# Altium PCB FMC_ADC_128CH_10B.PcbDoc (part 13 of 14) (continued)
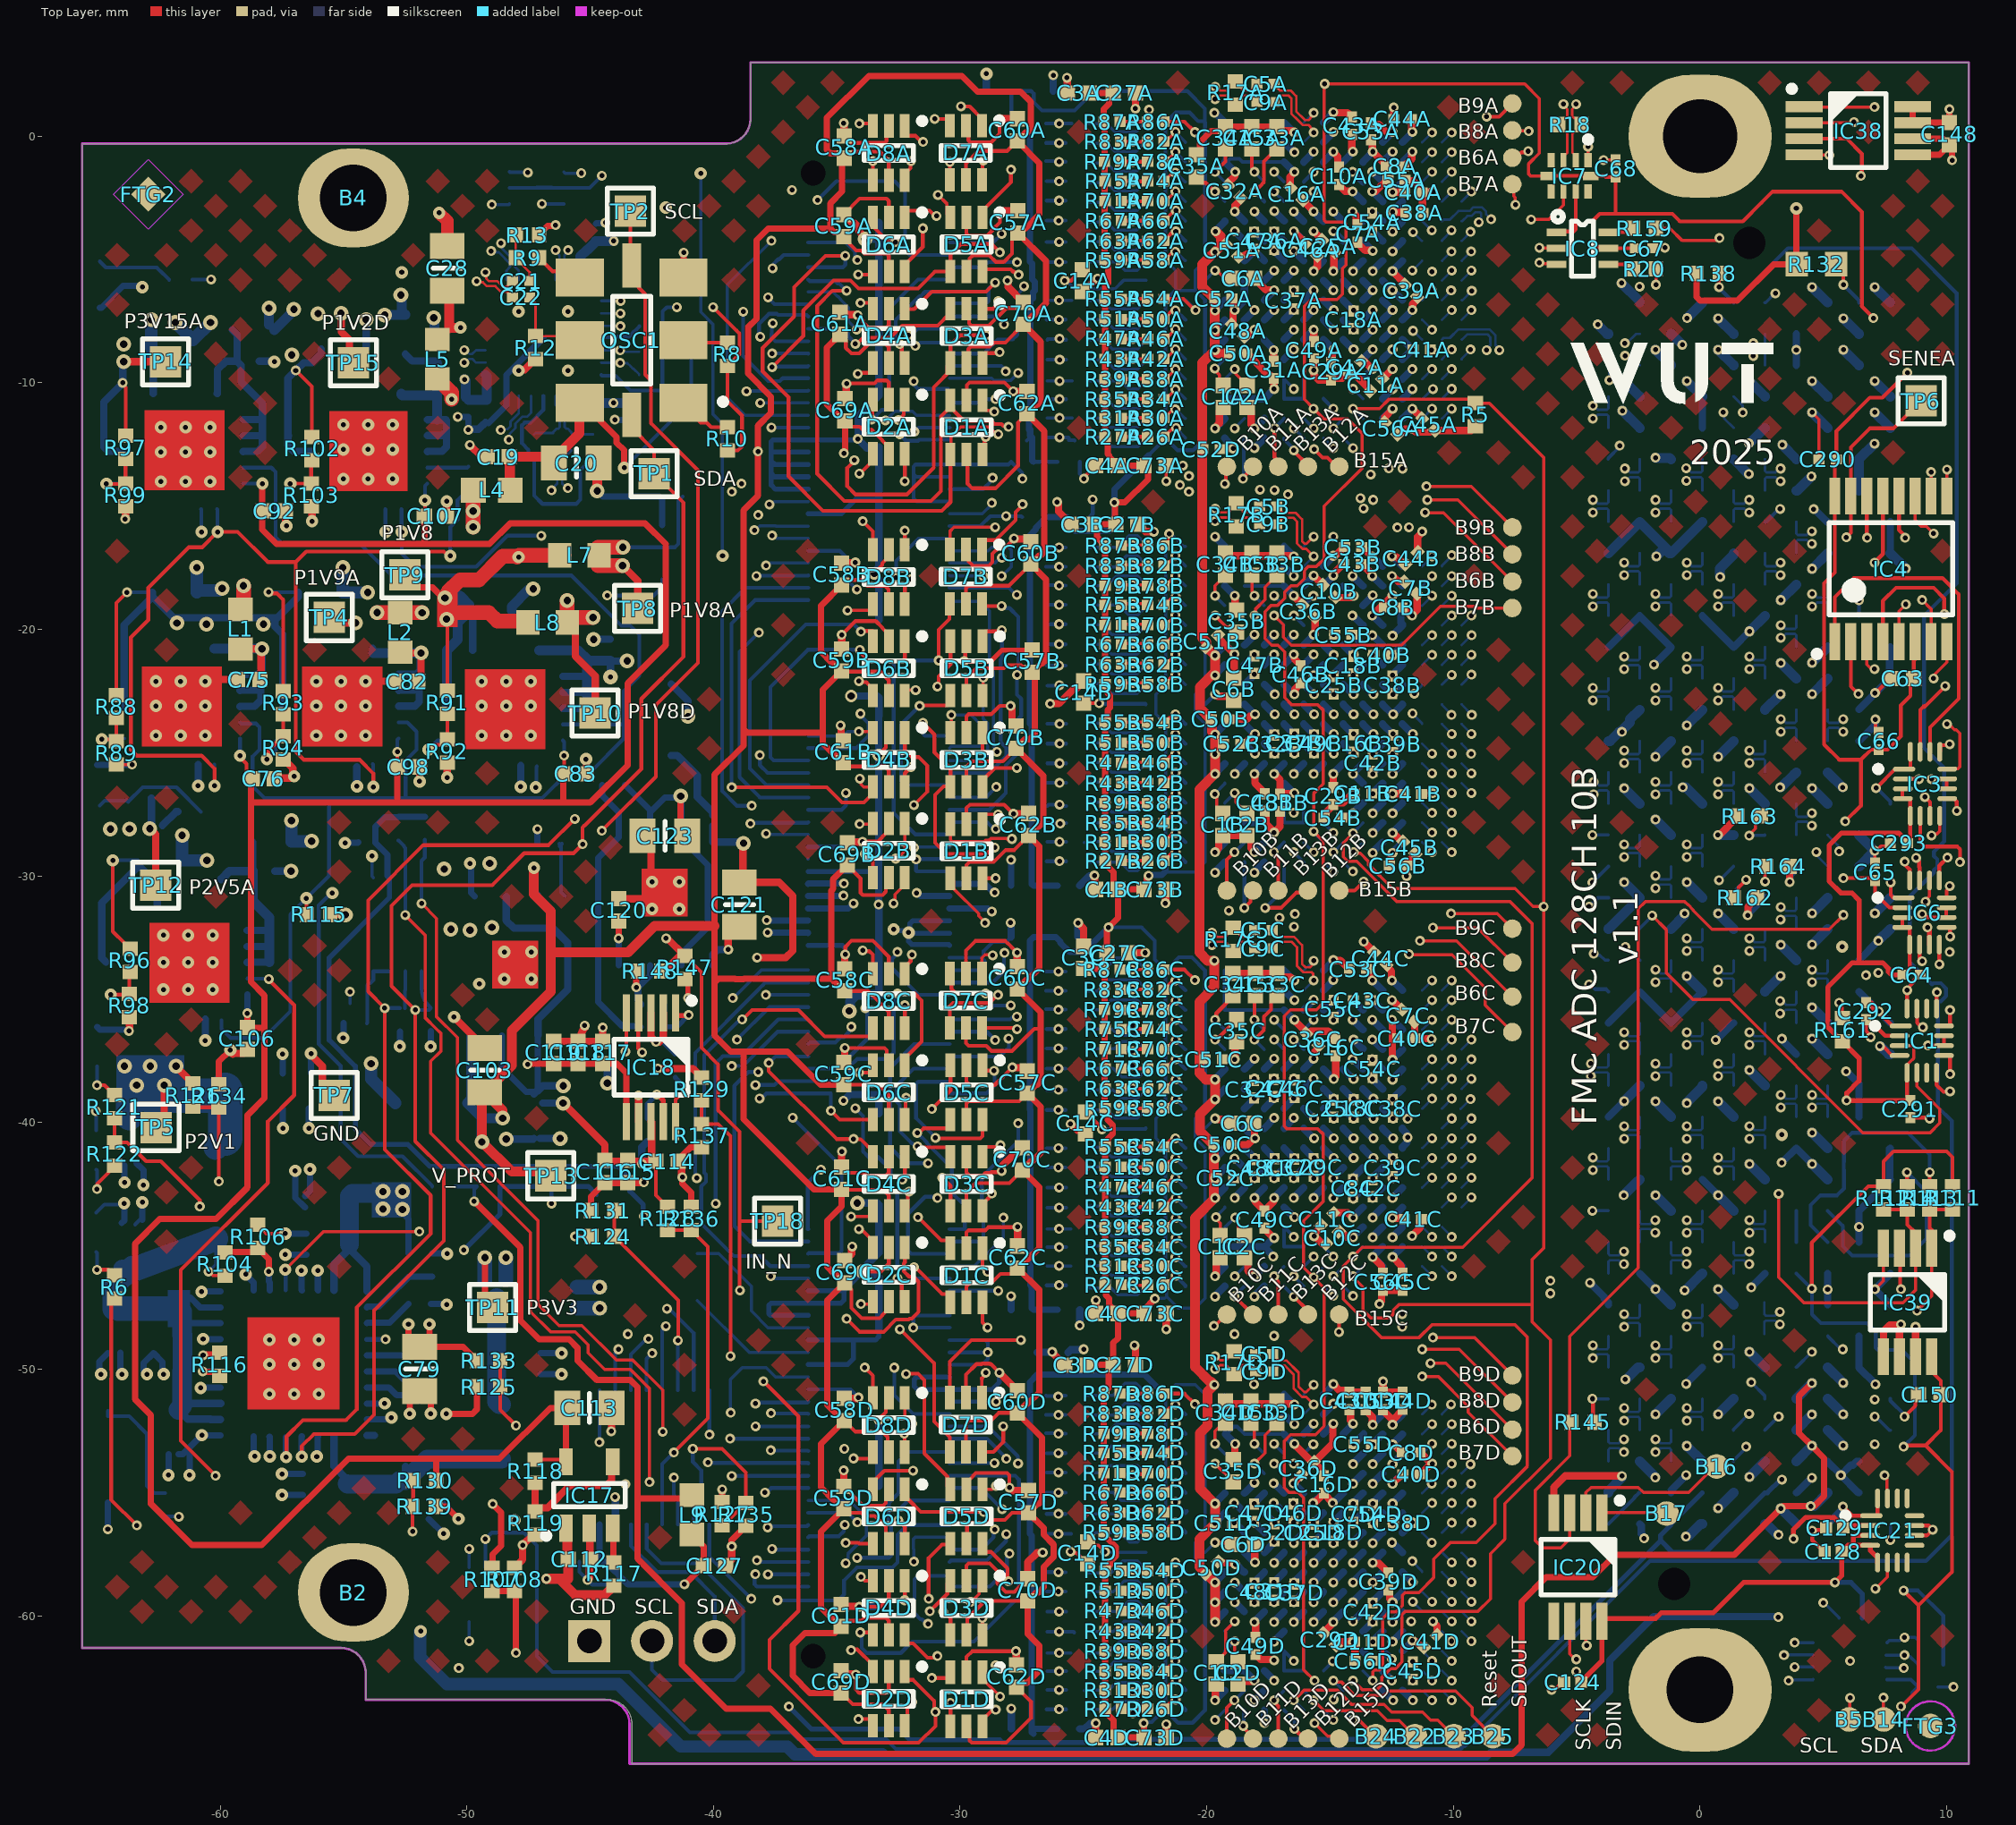
[diagram p0: Top Layer view]
## Nets (pads, with @x,y where several pads share a name; then routed paths per layer and width w, separated by ;. In a path a pad name is that pad's centre, name@x,y a point inside that pad or via, vN(x,y) a via of type N, cw(c..) or ccw(c..) an arc to the next point about the centre after c; other vN are vias at no path point) (continued)
  Bottom Layer w0.152: U1B.K15@-15.267,-27.834 -14.865,-28.236 v1(-14.865,-28.241)
SENOC: IC4.10 U1C.K15 | length 48.9
  Top Layer w0.127: IC4.10@9.363,-14.589 9.366,-14.587 v1(9.366,-13.614)
  Int1 (Sign) w0.127: v1(-14.867,-45.43) -14.471,-45.034 -14.471,-36.513 -14.181,-36.222 -13.954,-36.222 -13.663,-35.931 -13.663,-34.022 -12.254,-32.613 -12.254,-32.065 -10.045,-29.856 -10.019,-29.856 -5.067,-24.904 -4.591,-24.904 -4.354,-25.141 -4.019,-25.141 -3.36,-25.801 0.722,-25.801 0.992,-25.53 1.627,-24.896 1.627,-22.898 2.659,-21.866 2.659,-21.333 3.057,-20.935 3.505,-20.935 6.116,-18.324 6.936,-18.324 8.689,-16.572 8.689,-14.889 9.366,-14.212 v1(9.366,-13.614)
  Bottom Layer w0.127: U1C.K15@-15.267,-45.03 v1(-14.867,-45.43)
SENOD: IC4.7 U1D.K15 | length 65.9
  Top Layer w0.127: v1(9.004,-18.806) 9.363,-19.166 IC4.7@9.363,-20.489
  Int1 (Sign) w0.127: v1(-14.89,-61.841) -14.501,-61.452 -13.143,-61.452 -12.863,-61.172 -12.863,-51.435 -12.477,-51.049 -12.477,-47.344 -12.863,-46.958 -12.863,-37.156 -12.06,-36.352 -12.06,-34.363 -9.187,-31.491 -9.187,-30.098 -4.89,-25.801 -4.154,-25.801 -3.453,-26.502 -3.453,-26.899 -2.012,-28.34 -0.215,-28.34 0.177,-28.733 2.501,-28.733 3.939,-27.294 3.939,-22.6 6.462,-20.077 7.777,-20.077 9.004,-18.849 v1(9.004,-18.806)
  Bottom Layer w0.127: U1D.K15@-15.267,-62.225 -15.267,-62.222 -14.89,-61.844 v1(-14.89,-61.841)
TDI: J6.d30 J6.d31 | length 1.3
  Bottom Layer w0.152: J6.d31@3.903,-44.844 J6.d30@3.903,-43.574
TX_TRIG: R20.2 U1A.M15 U1B.M15 U1C.M15 U1D.M15 | length 98.3
  Top Layer w0.127: v1(-14.07,-28.26) -14.463,-28.653 -14.463,-29.224 -14.286,-29.402 -13.92,-29.402 -12.281,-31.04 -7.698,-31.04 -6.816,-31.923 -6.816,-42.246 -9.625,-45.056 -13.696,-45.056 v1(-14.067,-45.427) -14.463,-45.823 -14.463,-47.165 -12.918,-48.71 -11.387,-48.71 -10.877,-48.2 -7.5,-48.2 -7,-48.7 -7,-53.933 -8.314,-55.247 -8.314,-56.261 -9.079,-57.025 -10.12,-57.025 -10.792,-57.697 -10.792,-58.449 -11.395,-59.052 -11.959,-59.052 -12.071,-59.165 -12.071,-59.58 -12.32,-59.828 -12.593,-59.828 -12.871,-60.107 -12.871,-62.08 -12.99,-62.199 -13.193,-62.199 -13.267,-62.273 v1(-13.267,-62.625) ; v1(-1.786,-6.019) R20.2@-1.786,-5.382
  Int1 (Sign) w0.127: v1(-14.07,-28.26) -14.14,-28.26 -14.534,-28.654 -14.98,-28.654 -15.239,-28.396 -15.239,-27.108 -14.414,-26.283 -13.912,-26.283 -13.767,-26.283 -13.663,-26.179 -13.663,-22.479 -12.863,-21.679 -12.863,-16.605 -14.222,-15.246 -14.222,-13.904 -15.241,-12.885 -15.241,-12.491 -15.022,-12.272 -14.686,-12.272 -14.468,-12.053 -14.468,-11.716 -14.712,-11.472 -15.027,-11.472 -15.294,-11.205 -15.294,-10.527 -15.012,-10.245 v1(-14.067,-10.245) -12.995,-10.245 -12.616,-10.625 -6.392,-10.625 v1(-1.786,-6.019)
  Bottom Layer w0.127: v1(-14.07,-28.26) -14.07,-28.248 -13.667,-27.846 U1B.M15@-13.667,-27.834 ; v1(-14.067,-45.427) -14.066,-45.427 -13.669,-45.03 U1C.M15@-13.667,-45.03 ; v1(-14.067,-10.245) U1A.M15@-13.667,-10.645 ; U1D.M15@-13.667,-62.225 v1(-13.267,-62.625)
TX_TRIG_SEL: IC6.14 R159.1 | length 49.2
  Top Layer w0.127: R159.1@-1.786,-3.732 -1.22,-3.732 -0.722,-4.231 0.742,-4.231 0.742,-4.174 v1(0.785,-4.132) ; v1(9.144,-31.041) 9.144,-30.971 9.3,-30.815 IC6.14@9.3,-30.179
  Int6 (Sign) w0.127: v1(0.785,-4.132) 0.785,-3.521 1.599,-2.707 2.526,-2.707 3.51,-1.723 3.51,-0.861 6.045,1.673 7.737,1.673 7.954,1.457 7.954,-4.475 7.705,-4.725 7.705,-24.108 6.443,-25.37 6.443,-29.536 7.948,-31.041 v1(9.144,-31.041)
TX_TRIG_SEL_VADJ: IC6.7 IC20.3 R145.2 | length 43.6
  Top Layer w0.127: IC20.3@-5.278,-55.818 -5.278,-56.874 -5.65,-57.246 -6.377,-57.246 -6.689,-56.934 -6.689,-54.923 -5.278,-53.512 -5.278,-48.668 -2.502,-45.893 -2.502,-31.323 -2.221,-31.041 -0.625,-31.041 -0.502,-31.164 -0.478,-31.164 -0.271,-31.371 -0.271,-31.394 0.49,-32.155 5.243,-32.155 5.81,-31.588 v1(5.81,-31.577)
  Top Layer w0.2: v1(9.221,-32.079) 9.3,-32.158 IC6.7@9.3,-32.779
  Int1 (Sign) w0.127: v1(5.81,-31.577) 6.312,-32.079 v1(9.221,-32.079)
V_PROT: C57A.1 C57B.1 C57C.1 C57D.1 C58A.1 C58B.1 C58C.1 C58D.1 C59A.1 C59B.1 C59C.1 C59D.1 C60A.1 C60B.1 C60C.1 C60D.1 C61A.1 C61B.1 C61C.1 C61D.1 C62A.1 C62B.1 C62C.1 C62D.1 C69A.1 C69B.1 C69C.1 C69D.1 C70A.1 C70B.1 C70C.1 C70D.1 C103.2 C110.1 D1A.5 D1B.5 D1C.5 D1D.5 D2A.5 D2B.5 D2C.5 D2D.5 D3A.5 D3B.5 D3C.5 D3D.5 D4A.5 D4B.5 D4C.5 D4D.5 D5A.5 D5B.5 D5C.5 D5D.5 D6A.5 D6B.5 D6C.5 D6D.5 D7A.5 D7B.5 D7C.5 D7D.5 D8A.5 D8B.5 D8C.5 D8D.5 IC13.3 IC13.8 TP13.1 | length 333.7
  Top Layer w0.152: C61A.1@-34.868,-8.033 -34.634,-8.267 -34.634,-8.579 -34.407,-8.805 -34.088,-8.805 -33.709,-8.426 -33.018,-8.426 -32.89,-8.555 D4A.5@-32.89,-9.195 ; C69D.1@-34.816,-63.123 -34.352,-63.587 -33.12,-63.587 -32.89,-63.817 D2D.5@-32.89,-64.458 ; C61D.1@-34.816,-60.431 -34.582,-60.197 -33.991,-60.197 -33.866,-60.072 -33.012,-60.072 -32.89,-60.195 D4D.5@-32.89,-60.775 ; C61C.1@-34.804,-42.702 -34.782,-42.724 -33.113,-42.724 -32.89,-42.948 D4C.5@-32.89,-43.58 ; C59B.1@-34.804,-21.689 -34.788,-21.706 -33.238,-21.706 -32.89,-22.054 D6B.5@-32.89,-22.675 ; C58B.1@-34.804,-18.204 -34.59,-17.989 -34.001,-17.989 -33.761,-18.229 -33.051,-18.229 -32.905,-18.375 -32.905,-18.952 D8B.5@-32.89,-18.967 ; C61B.1@-34.728,-25.407 -34.579,-25.556 -33.038,-25.556 -32.89,-25.705 D4B.5@-32.89,-26.384 ; C59D.1@-34.718,-55.655 -34.552,-55.822 -34.004,-55.822 -33.883,-55.943 -33.455,-55.943 -33.014,-56.385 -33.014,-56.943 D6D.5@-32.89,-57.067 ; C59C.1@-34.718,-38.459 -33.315,-38.459 -32.89,-38.884 D6C.5@-32.89,-39.871 ; C59A.1@-34.718,-4.075 -34.718,-4.122 -34.213,-4.627 -34.009,-4.627 -33.879,-4.757 -32.98,-4.757 -32.89,-4.847 D6A.5@-32.89,-5.487 ; C58D.1@-34.693,-52.081 -34.244,-52.53 -33.154,-52.53 -32.939,-52.745 -32.939,-53.309 D8D.5@-32.89,-53.359 ; C58A.1@-34.691,-0.887 -34.457,-0.653 -34.395,-0.653 -34.368,-0.626 -33.244,-0.626 -32.89,-0.981 D8A.5@-32.89,-1.778 ; C69C.1@-34.677,-46.496 -34.405,-46.768 -34.405,-47.509 -33.991,-47.924 -33.263,-47.924 -33.154,-47.815 -33.154,-47.802 -32.89,-47.538 D2C.5@-32.89,-47.263 ; C58C.1@-34.677,-34.657 -33.737,-34.657 -32.89,-35.505 D8C.5@-32.89,-36.163 ; C69A.1@-34.668,-11.542 -34.434,-11.776 -34.068,-11.776 -33.963,-11.882 -33.598,-11.882 -33.154,-12.326 -33.154,-12.339 -32.89,-12.603 D2A.5@-32.89,-12.878 ; C69B.1@-34.576,-29.553 -34.034,-30.094 -34.034,-30.677 -33.945,-30.766 -33.14,-30.766 -33.051,-30.677 -33.051,-30.669 -33.014,-30.631 -33.014,-30.191 D2B.5@-32.89,-30.067 ; D7D.5@-29.765,-53.351 -29.765,-52.218 -29.629,-52.081 -28.755,-52.081 -28.443,-51.769 C60D.1@-27.683,-51.769 ; D7C.5@-29.765,-36.155 -29.765,-36.77 -29.651,-36.885 -28.938,-36.885 -28.731,-37.092 -27.898,-37.092 -26.997,-36.191 -26.73,-36.191 ; D7B.5@-29.765,-18.959 -29.765,-18.318 -29.676,-18.229 -28.015,-18.229 C60B.1@-27.133,-17.347 ; D7A.5@-29.765,-1.771 -29.765,-1.116 -29.244,-0.595 -28.089,-0.595 C60A.1@-27.683,-0.189 ; D1D.5@-29.74,-64.484 -29.616,-64.608 -29.616,-65.058 -29.527,-65.147 -28.125,-65.147 -27.126,-64.149 -27.126,-63.476 C62D.1@-27.708,-62.894 ; D3D.5@-29.74,-60.775 -29.707,-60.743 -29.707,-60.11 -28.992,-59.395 C70D.1@-27.262,-59.395 ; D5D.5@-29.74,-57.067 -29.716,-57.044 -29.716,-56.305 -29.627,-56.216 -28.867,-56.216 -28.757,-56.105 -28.186,-56.105 -27.899,-55.818 C57D.1@-27.23,-55.818 ; D1C.5@-29.74,-47.288 -29.74,-46.648 -29.588,-46.496 -28.724,-46.496 -28.36,-46.132 -27.904,-46.132 C62C.1@-27.67,-45.898 ; D3C.5@-29.74,-43.58 -29.74,-42.819 -29.374,-42.453 -28.008,-42.453 C70C.1@-27.479,-41.924 ; D5C.5@-29.74,-39.871 -29.74,-39.225 -29.651,-39.136 -27.606,-39.136 C57C.1@-27.277,-38.806 ; D1B.5@-29.74,-30.092 -29.74,-29.553 -29.617,-29.429 -28.638,-29.429 -28.153,-28.944 -27.804,-28.944 -27.513,-28.653 -27.513,-28.647 C62B.1@-27.226,-28.361 ; D3B.5@-29.74,-26.384 -29.74,-25.572 -29.517,-25.349 -28.263,-25.349 C70B.1@-27.733,-24.819 ; D5B.5@-29.74,-22.675 -29.74,-21.97 -29.342,-21.572 -28.223,-21.572 -28.105,-21.454 -27.531,-21.454 -27.488,-21.497 -27.305,-21.497 C57B.1@-27.071,-21.731 ; D1A.5@-29.74,-12.904 -29.697,-12.947 -29.697,-14.093 -29.513,-14.276 -28.563,-14.276 -27.652,-13.365 -27.652,-11.615 C62A.1@-27.287,-11.25 ; D3A.5@-29.74,-9.195 -29.665,-9.12 -29.665,-8.629 -29.57,-8.534 -28.797,-8.534 -28.628,-8.365 -28.168,-8.365 C70A.1@-27.433,-7.631 ; D5A.5@-29.74,-5.487 -29.616,-5.363 -29.616,-4.962 -29.48,-4.826 -28.813,-4.826 -28.546,-5.092 -28.227,-5.092 -27.891,-4.757 -27.891,-4.156 C57A.1@-27.657,-3.922
  Top Layer w0.254: -38.779,-24.035 -38.779,-24.71 -39.951,-25.883 -39.951,-32.02 -39.951,-34.314 ; -38.779,-15.791 -38.779,-15.161 -38.188,-14.571 -38.188,-13.581 -38.191,-13.578 v1(-38.191,-12.78) ; -38.773,-15.791 -38.773,-24.035 -38.625,-24.184 -35.566,-24.184 ; v1@-38.188,-12.78 -38.188,-11.735 -37.664,-11.21 -37.664,-10.558 -38.596,-9.627 -38.596,-7.741 -38.259,-7.404 -38.259,-4.217 -37.784,-3.743 -35.265,-3.743 ; C61A.1@-34.868,-8.033 -35.399,-8.565 -35.399,-10.866 -34.957,-11.309 -34.901,-11.309 C69A.1@-34.668,-11.542 -34.668,-12.771 -34.713,-12.817 v1(-34.713,-12.852) ; C69D.1@-34.816,-63.123 -36.088,-63.123 -36.785,-62.426 -36.785,-61.193 -36.287,-60.694 -35.08,-60.694 C61D.1@-34.816,-60.431 -35.169,-60.078 -35.224,-60.078 -35.642,-59.66 -35.642,-56.579 C59D.1@-34.718,-55.655 -35.071,-55.302 -35.127,-55.302 -35.642,-54.786 -35.642,-53.03 C58D.1@-34.693,-52.081 -34.876,-51.898 -34.931,-51.898 -35.389,-51.44 -35.389,-47.208 C69C.1@-34.677,-46.496 -35.03,-46.143 -35.085,-46.143 -35.389,-45.84 -35.389,-43.978 -34.804,-43.393 C61C.1@-34.804,-42.702 -35.926,-42.702 -38.773,-39.854 -38.773,-37.115 ; C58B.1@-34.804,-18.204 -35.642,-19.042 -35.642,-20.906 -35.212,-21.336 -35.157,-21.336 C59B.1@-34.804,-21.689 -35.566,-22.451 -35.566,-24.184 ; C58A.1@-34.786,-0.887 -34.786,-0.792 -34.874,-0.704 -35.251,-0.704 -35.399,-0.555 -35.399,0.749 -33.702,2.446 -29.92,2.446 -29.288,1.813 -27.546,1.813 -27.13,1.398 -27.13,0.298 -27.279,0.149 -27.345,0.149 C60A.1@-27.683,-0.189 -26.78,-1.091 -26.78,-3.163 -27.357,-3.739 -27.474,-3.739 C57A.1@-27.657,-3.922 -26.524,-5.055 -26.524,-6.777 -27.025,-7.278 -27.08,-7.278 C70A.1@-27.433,-7.631 -26.741,-8.323 -26.741,-9.941 ; C61B.1@-34.728,-25.407 -35.081,-25.054 -35.136,-25.054 -35.566,-24.625 -35.566,-24.184 ; C59C.1@-34.718,-38.459 -35.66,-38.459 -37.004,-37.115 -38.773,-37.115 ; C59A.1@-34.718,-4.075 -34.901,-3.892 -35.117,-3.892 -35.265,-3.743 ; C58A.1@-34.691,-0.887 -34.786,-0.982 -34.786,-2.24 -35.265,-2.719 -35.265,-3.743 ; C58C.1@-34.677,-34.657 -34.963,-34.372 -35.018,-34.372 -35.224,-34.165 ; C69B.1@-34.576,-29.553 -35.157,-30.134 -35.157,-30.525 -35.224,-30.592 -35.224,-31.538 -35.224,-34.165 ; C62D.1@-27.708,-62.894 -27.525,-62.711 -27.281,-62.711 -26.793,-62.223 -26.793,-61.201 -27.262,-60.731 C70D.1@-27.262,-59.395 -26.909,-59.042 -26.812,-59.042 -26.606,-58.836 -26.606,-58.009 -26.27,-57.674 -26.27,-57.664 -26.215,-57.61 -26.215,-57.098 -26.606,-56.708 -26.606,-56.443 C57D.1@-27.23,-55.818 -26.877,-55.465 -26.822,-55.465 -26.683,-55.326 -26.683,-52.768 C60D.1@-27.683,-51.769 -27.33,-51.416 -27.274,-51.416 -26.793,-50.934 -26.793,-46.776 C62C.1@-27.67,-45.898 -27.317,-45.545 -27.262,-45.545 -26.793,-45.076 -26.793,-42.611 C70C.1@-27.479,-41.924 -27.126,-41.571 -27.071,-41.571 -26.727,-41.227 -26.727,-39.355 C57C.1@-27.277,-38.806 -26.924,-38.453 -26.868,-38.453 -26.73,-38.314 -26.73,-36.191 -26.73,-35.526 C60C.1@-27.683,-34.573 -27.33,-34.22 -27.274,-34.22 -26.793,-33.739 -26.793,-28.794 C62B.1@-27.226,-28.361 -26.873,-28.008 -26.818,-28.008 -26.679,-27.869 -26.617,-27.807 -26.617,-25.936 C70B.1@-27.733,-24.819 -27.38,-24.466 -27.186,-24.466 -26.975,-24.256 -26.975,-21.827 C57B.1@-27.071,-21.731 -26.718,-21.378 -26.663,-21.378 -26.524,-21.239 -26.524,-17.956 C60B.1@-27.133,-17.347 -26.78,-16.994 -26.725,-16.994 -26.586,-16.855 -26.586,-11.951 C62A.1@-27.287,-11.25 -26.934,-10.897 -26.879,-10.897 -26.74,-10.758 -26.74,-9.942 ; -39.951,-34.314 -39.951,-36.465 -39.301,-37.115 -38.773,-37.115 ; -39.951,-34.314 -39.802,-34.165 -39.127,-34.165 -39.116,-34.176 -38.771,-34.176 -38.76,-34.165 -35.224,-34.165
  Top Layer w0.4: v3(-48.547,-39.817) -48.547,-39.488 C103.2@-49.264,-38.771 ; v2(-47.279,-29.666) -47.279,-30.728 -46.589,-31.418 -46.589,-33.091 ; TP13.1@-46.589,-42.152 -46.754,-41.987 -48.179,-41.987 v3(-49.387,-40.779) -49.387,-38.894 C103.2@-49.264,-38.771 ; -39.951,-32.02 -42.384,-32.02 -43.455,-33.091 -46.589,-33.091 ; C103.2@-49.264,-38.771 -48.179,-37.686 -48.179,-36.271 -46.589,-34.68 -46.589,-33.091
  Int1 (Sign) w0.254: v1(-38.191,-12.78) -34.824,-12.78 -34.753,-12.852 v1(-34.713,-12.852)
  Bottom Layer w0.254: v2(-47.279,-29.666) -47.279,-30.6 -47.095,-30.784 IC13.3@-47.114,-30.803
  Bottom Layer w0.4: IC13.8@-49.818,-36.469 -49.818,-39.026 C110.1@-49.996,-39.204 -49.409,-39.791 v3@-49.409,-40.758 ; C110.1@-49.382,-39.817 v3(-48.547,-39.817)
VADJ: C64.1 C124.1 C128.1 C291.1 C293.1 C294.2 IC1.3 IC1.5 IC3.3 IC3.4 IC3.5 IC6.3 IC6.4 IC6.5 IC20.8 IC21.3 IC21.4 IC21.5 IC22.8 IC55.2 J6.e39 J6.f40 J6.g39 J6.h40 R21.2 R105.2 R158.2 R161.1 | length 175.9
  Top Layer w0.127: IC1.3@8.091,-36.876 8.59,-36.876 8.664,-36.95 8.664,-37.389 8.504,-37.549 8.501,-37.549 8.391,-37.66 IC1.5@8.391,-37.976
  Top Layer w0.152: IC6.4@8.2,-32.079 IC6.3@8.2,-31.679 ; IC3.3@8.223,-26.46 8.198,-26.46 8.198,-26.86 IC3.4@8.223,-26.86 8.523,-26.86 IC3.5@8.523,-27.56 C293.1@8.523,-28.665 ; C64.1@8.252,-34.004 8.5,-33.755 IC6.5@8.5,-32.779 IC6.4@8.5,-32.079 ; IC1.5@8.391,-37.976 8.391,-38.928 C291.1@8.515,-39.053
  Top Layer w0.2: v1(-5.018,-62.25) -5.018,-62.452 -4.812,-62.658 -3.978,-61.824 IC20.8@-3.978,-60.968 ; IC20.8@-3.978,-60.218 -3.867,-60.107 -1.801,-60.107 -1.574,-59.88 0.532,-59.88 1.766,-58.646 v1(5.467,-58.646) 5.752,-58.361 C128.1@5.752,-57.381 5.994,-57.138 6.22,-57.138 ; IC21.3@6.897,-56.738 6.288,-56.738 6.22,-56.806 6.22,-57.138 ; IC21.5@7.197,-57.838 7.197,-57.651 6.897,-57.351 IC21.4@6.897,-57.138 6.22,-57.138 ; C64.1@8.252,-34.004 7.757,-34.004 7.64,-33.886 7.64,-33.753 7.397,-33.511 6.452,-33.511 ; C293.1@8.413,-28.665 8.388,-28.665 8.288,-28.565 8.288,-28.538 8.198,-28.447 8.198,-28.402 8.05,-28.255 5.736,-28.255 5.229,-28.762 5.229,-30.203 5.708,-30.682 6.153,-30.682 6.452,-30.981 6.452,-33.511 ; C291.1@8.515,-39.053 8.471,-39.097 v1(5.937,-39.097) 5.945,-39.089 5.945,-38.798 6.445,-38.298 6.445,-37.381 R161.1@5.768,-36.704 5.175,-36.111 5.175,-34.509 6.174,-33.511 6.452,-33.511
  Int1 (Sign) w0.15: v1(-40.163,-52.654) -39.768,-52.654 -39.751,-52.671
  Int1 (Sign) w0.2: v1(-42.822,-43.792) -39.751,-46.863 -39.751,-52.671 -39.751,-53.189 -38.82,-54.119 -38.82,-55.752 -39.751,-56.682 -39.751,-59.033 -36.941,-61.843 v1(-36.941,-63.679)
  Int3 (Sign) w0.2: v1(3.314,-54.475) 3.878,-54.475 5.173,-53.18 5.173,-50.625 4.7,-50.152 4.663,-50.152 4.546,-50.035 4.533,-50.035 4.077,-49.58 4.077,-49.17 5.151,-48.097 5.173,-48.097 7.07,-46.2 7.07,-40.23 v1(5.937,-39.097)
  Int4 (Sign) w0.2: v1(3.314,-54.475) 3.314,-54.533 3.842,-55.061 4.706,-55.061 5.467,-55.822 v1(5.467,-58.646)
  Int6 (Sign) w0.2: v1@3.29,-54.451 v1(3.314,-54.475)
  Bottom Layer w0.15: IC22.8@-40.167,-50.844 -40.167,-52.65 v1(-40.163,-52.654)
  Bottom Layer w0.2: IC55.2@-53.137,-30.063 -53.137,-30.875 -55.58,-33.318 -55.58,-36.65 -54.515,-37.715 -54.515,-40.249 -53.88,-40.884 -52.385,-40.884 -51.49,-41.779 -43.851,-41.779 -43.387,-42.243 -43.387,-42.783 -42.846,-43.324 v1@-42.846,-43.792 ; v1(-36.941,-63.679) -36.032,-64.588 -34.292,-64.588 -34.288,-64.592 -33.949,-64.592 -33.945,-64.588 -32.467,-64.588 -32.023,-65.032 -28.395,-65.032 -28.3,-65.128 -24.78,-65.128 -24.652,-65 -9.658,-65 -1.601,-56.943 ; J6.g39@0.093,-55.004 J6.h40@-1.177,-56.274 -1.177,-56.303 -1.601,-56.727 -1.601,-56.943 ; v1(3.314,-54.475) 3.26,-54.475 2.731,-55.004 J6.e39@2.633,-55.004 J6.f40@1.363,-56.274 0.213,-57.425 -1.119,-57.425 -1.601,-56.943 ; v1(5.467,-58.646) 6.119,-58.646 6.577,-59.103 R105.2@6.577,-60.086 ; v1@5.887,-39.127 5.917,-39.097 v1(5.937,-39.097)
  Bottom Layer w0.254: IC55.2@-53.137,-30.063 -53.21,-29.99 -53.21,-29.132 -53.702,-28.641 C294.2@-53.702,-28.628 -53.702,-27.995 -53.326,-27.618 R158.2@-52.782,-27.618 -52.767,-27.603 -51.716,-27.603 R21.2@-51.701,-27.588
VIO_B_M2C: J6.j39 J6.k40 | length 1.8
  Bottom Layer w0.152: J6.k40@-3.717,-56.274 -2.661,-55.218 -2.661,-55.195 -2.47,-55.004 J6.j39@-2.447,-55.004
VREF_A_M2C: J6.h1
W: IC18.1 R142.1 R146.2 | length 2.7
  Top Layer w0.2: IC18.1@-41.532,-35.553 -41.424,-35.661 -41.028,-35.661 v1(-41.002,-35.635)
  Bottom Layer w0.2: R146.2@-41.985,-35.226 -41.985,-36.097 R142.1@-42.003,-36.115 -41.482,-36.115 v1(-41.002,-35.635)
pads on no net: FTG1.FTG2 FTG2.1 FTG3.FTG2 FTG4.1 IC1.7 IC1.14 IC5.18 IC5.19 IC5.20 IC5.21 IC5.24 IC5.25 IC7.4 IC7.6 IC7.9 IC9.2 IC9.3 IC9.4 IC9.13 IC9.14 IC9.15 IC9.17 IC11.2 IC11.3 IC11.4 IC11.13 IC11.14 IC11.15 IC11.17 IC12.2 IC12.3 IC12.4 IC12.13 IC12.14 IC12.15 IC12.17 IC14.2 IC14.3 IC14.4 IC14.13 IC14.14 IC14.15 IC14.17 IC15.2 IC15.3 IC15.4 IC15.13 IC15.14 IC15.15 IC15.17 IC16.2 IC16.3 IC16.4 IC16.13 IC16.14 IC16.15 IC16.17 IC20.5 IC21.7 IC21.8 IC21.9 IC21.12 IC21.13 IC21.14 J1.193 J1.194 J6.1 J6.2 J6.b4 J6.b5 J6.b8 J6.b9 J6.b12 J6.b13 J6.b16 J6.b17 J6.b24 J6.b25 J6.b28 J6.b29 J6.b32 J6.b33 J6.b36 J6.b37 J6.b40 J6.c2 J6.c3 J6.c6 J6.c7 J6.d1 J6.d4 J6.d5 J6.d29 J6.d33 J6.d34 J6.k1 LD2.3 T2.1 T2.2 T2.6 T3.1 T3.2 T3.6 U1A.B9 U1A.C9 U1A.E8 U1A.E9 U1A.F1 U1A.F2 U1A.F4 U1A.F5 U1A.F13 U1A.F14 U1A.G1 U1A.G2 U1A.G13 U1A.G14 U1A.J13 U1A.K4 U1A.K5 U1A.K13 U1A.K14 U1A.L1 U1A.L2 U1A.L4 U1A.L5 U1A.L13 U1A.L14 U1A.L15 U1A.M1 U1A.M2 U1A.M17 U1A.N1 U1A.N17 U1A.P1 U1A.P17 U1A.R1 U1A.R5 U1A.R9 U1A.R13 U1A.R17 U1A.T1 U1A.T17 U1A.U1 U1A.U2 U1A.U3 U1A.U4 U1A.U14 U1A.U15 U1A.U16 U1A.U17 U1B.B9 U1B.C9 U1B.E8 U1B.E9 U1B.F1 U1B.F2 U1B.F4 U1B.F5 U1B.F13 U1B.F14 U1B.G1 U1B.G2 U1B.G13 U1B.G14 U1B.J13 U1B.K4 U1B.K5 U1B.K13 U1B.K14 U1B.L1 U1B.L2 U1B.L4 U1B.L5 U1B.L13 U1B.L14 U1B.L15 U1B.M1 U1B.M2 U1B.M17 U1B.N1 U1B.N17 U1B.P1 U1B.P17 U1B.R1 U1B.R5 U1B.R9 U1B.R13 U1B.R17 U1B.T1 U1B.T17 U1B.U1 U1B.U2 U1B.U3 U1B.U4 U1B.U14 U1B.U15 U1B.U16 U1B.U17 U1C.B9 U1C.C9 U1C.E8 U1C.E9 U1C.F1 U1C.F2 U1C.F4 U1C.F5 U1C.F13 U1C.F14 U1C.G1 U1C.G2 U1C.G13 U1C.G14 U1C.J13 U1C.K4 U1C.K5 U1C.K13 U1C.K14 U1C.L1 U1C.L2 U1C.L4 U1C.L5 U1C.L13 U1C.L14 U1C.L15 U1C.M1 U1C.M2 U1C.M17 U1C.N1 U1C.N17 U1C.P1 U1C.P17 U1C.R1 U1C.R5 U1C.R9 U1C.R13 U1C.R17 U1C.T1 U1C.T17 U1C.U1 U1C.U2 U1C.U3 U1C.U4 U1C.U14 U1C.U15 U1C.U16 U1C.U17 U1D.B9 U1D.C9 U1D.E8 U1D.E9 U1D.F1 U1D.F2 U1D.F4 U1D.F5 U1D.F13 U1D.F14 U1D.G1 U1D.G2 U1D.G13 U1D.G14 U1D.J13 U1D.K4 U1D.K5 U1D.K13 U1D.K14 U1D.L1 U1D.L2 U1D.L4 U1D.L5 U1D.L13 U1D.L14 U1D.L15 U1D.M1 U1D.M2 U1D.M17 U1D.N1 U1D.N17 U1D.P1 U1D.P17 U1D.R1 U1D.R5 U1D.R9 U1D.R13 U1D.R17 U1D.T1 U1D.T17 U1D.U1 U1D.U2 U1D.U3 U1D.U4 U1D.U14 U1D.U15 U1D.U16 U1D.U17

## Polygon pours and split planes (outlines as drawn)
no net on Int6 (Sign) "Balance" (solid, pour order 45): 10.89,-66 ccw(c10.866,-65.976) 10.9,-65.976 10.9,3.01 -38.5,3.01 -38.5,0.733 cw(c-39.538,0.733) -39.538,-0.305 -65.6,-0.3 -65.6,-0.37 -65.597,-61.302 -55.121,-61.297 -55.103,-61.297 cw(c-55.103,-62.3) -54.1,-62.3 -54.1,-63.4 -53.99,-63.4 -45.022,-63.398 -44.275,-63.398 cw(c-44.275,-64.358) -43.315,-64.358 -43.315,-66 10.7,-66
P3V15A on Int6 (Sign) "P3V15A_L07_P025" (solid, remove dead copper, pour order 25): -65,-6.499 -65.1,-17 -64.266,-17.834 -53.582,-17.834 -53.582,-40.915 -44.048,-40.915 -44.048,-40.66 -44.048,-16.31 -56.19,-16.31 -58.476,-14.024 -58.476,-6.499
P1V9A on Int6 (Sign) "P1V9A_L07_P003" (solid, pour order 3): -16.44,-51 -63.1,-51 -63.1,-18.175 -53.6,-18.175 -53.6,-43.7 -50.726,-46.574 -16.44,-46.574
P1V2D on Int6 (Sign) "P1V2D_L07_P013" (solid, remove dead copper, pour order 13): -15.3,-63.868 -15.3,-0.088 -14.09,1.123 -14.067,1.1 -11.275,1.1 -11.275,-63.868
P3V3 on Int6 (Sign) "P3V3_L07_P018" (solid, remove dead copper, pour order 18): -27.416,-29.376 -27.416,-32.617 -27.408,-32.624 -51.114,-32.624 -51.114,-29.036 -27.427,-29.036 -27.415,-29.048
P1V2D on Int6 (Sign) "P1V2D_L07_P014" (solid, pour order 14): -20.204,-13.103 -51.593,-13.103 -54.582,-10.115 -54.582,-6.509 -58.476,-6.509 -58.476,-14.024 -56.19,-16.31 -20.198,-16.31
P3V15A on Int6 (Sign) "P3V15A_L07_P039" (solid, pour order 39): -44.166,-28.778 -44.166,-24.534 -40.515,-24.534 -40.515,-28.772
P1V9A on Int6 (Sign) "P1V9A_L07_P016" (solid, pour order 16): -15.3,-61.966 -15.325,-61.94 -19.414,-61.94 -19.414,-2.252 -19.342,-2.18 -15.3,-2.18
NetC12_2 on Int6 (Sign) "NETC12_2_L07_P022" (solid, remove dead copper, pour order 22): -40.5,-11.166 -42.455,-11.166 -50.799,-11.166 -51.051,-10.914 -51.051,-4.347 -49.723,-3.019 -41.62,-3.019 -40.5,-4.139
no net on Int1 (Sign) "Balance" (solid, pour order 44): 10.89,-66 ccw(c10.866,-65.976) 10.9,-65.976 10.9,3.01 -38.5,3.01 -38.5,0.733 cw(c-39.538,0.733) -39.538,-0.305 -65.6,-0.3 -65.6,-0.37 -65.597,-61.302 -55.121,-61.297 -55.103,-61.297 cw(c-55.103,-62.3) -54.1,-62.3 -54.1,-63.4 -53.99,-63.4 -45.022,-63.398 -44.275,-63.398 cw(c-44.275,-64.358) -43.315,-64.358 -43.315,-66 10.7,-66
P2V5A on Int1 (Sign) "P2V5A_L02_P023" (solid, remove dead copper, pour order 23): -65,-10 -64.971,-10.029 -41.931,-10.029 -41.931,-42.84 -41.9,-42.871 -41.929,-42.9 -65.1,-42.9
P1V8D on Int1 (Sign) "P1V8D_L02_P004" (solid, pour order 4): -47.346,-17.961 -47.346,-30.456 -44.1,-33.702 -15.704,-33.702 -15.704,-29.651 -17.085,-29.651 -42.289,-29.651 -44.374,-27.566 -44.374,-17.961
P3V15A on Int1 (Sign) "Int1 (Sign)-P3V15A" (solid, remove dead copper, pour order 42): -65,-10 -64.971,-10.029 -41.931,-10.029 -39.451,-7.548 -39.451,-5.723 -34.373,-0.645 -21.063,-0.645 -21.063,-9.061 -18.302,-9.061 -18.302,-1.444 -15.667,-1.444 -15.667,2.473 -22.064,2.473 -22.064,1.721 -36.037,1.721 -40.524,-2.766 -47.966,-2.766 -51.949,-6.749 -65,-6.749
P1V8A on Int1 (Sign) "P1V8A_L02_P005" (solid, remove dead copper, pour order 5): -44.914,-17.961 -15.518,-17.961 -15.518,-15.294 -16.871,-13.941 -17.167,-13.941 -44.969,-13.941
GND on Int1 (Sign) "GND_L02_P037" (solid, remove dead copper, pour order 37): -20.041,-45.865 -20.041,-51.781 -15.512,-51.781 -15.512,-45.826
no net on Int4 (Sign) "Balance" (solid, pour order 40): 10.89,-66 ccw(c10.866,-65.976) 10.9,-65.976 10.9,3.01 -38.5,3.01 -38.5,0.733 cw(c-39.538,0.733) -39.538,-0.305 -65.6,-0.3 -65.6,-0.37 -65.597,-61.302 -55.121,-61.297 -55.103,-61.297 cw(c-55.103,-62.3) -54.1,-62.3 -54.1,-63.4 -53.99,-63.4 -45.022,-63.398 -44.275,-63.398 cw(c-44.275,-64.358) -43.315,-64.358 -43.315,-66 10.7,-66
P3V3 on Int4 (Sign) "P3V3_L05_P020" (solid, remove dead copper, pour order 20): -65.111,-1.004 -65.111,-61.011 -65.1,-61.022 -47.4,-61.022 -47.4,-1.004
P1V2D on Int4 (Sign) "P1V2D_L05_P015" (solid, pour order 15): -21.265,-12.272 -21.204,-12.21 -12.888,-12.21 -12.888,-15.111 -13.348,-15.571 -21.265,-15.571
P1V8D on Int4 (Sign) "P1V8D_L05_P010" (solid, remove dead copper, pour order 10): -13,-49.915 -12.975,-49.89 -10.556,-49.89 -10.556,-15.465 -10.689,-15.331 -12.878,-15.331 -12.878,-48.478 -13,-48.6
P1V8D on Int4 (Sign) "P1V8D_L05_P011" (solid, remove dead copper, pour order 11): -13.267,-1.379 -13.267,-13.304 -12.722,-13.85 -12.716,-13.844 -11.621,-13.844 -11.003,-13.226 -11.003,-1.52 -11.105,-1.419
P1V8D on Int4 (Sign) "P1V8D_L05_P009" (solid, pour order 9): -11.353,-61.631 -13,-61.631 -13,-48.6 -12.885,-48.485 -12.071,-48.485 -12.071,-53.246 -11.353,-53.965 -11.353,-61.088
P1V8D on Int4 (Sign) "P1V8D_L05_P012" (solid, pour order 12): -12.885,-30.306 -12.888,-30.303 -19.267,-30.303 -19.267,-33.295 -19.157,-33.406 -12.326,-33.406 -12.326,-30.343 -12.285,-30.303
no net on Int3 (Sign) "Balance" (solid, pour order 41): 10.89,-66 ccw(c10.866,-65.976) 10.9,-65.976 10.9,3.01 -38.5,3.01 -38.5,0.733 cw(c-39.538,0.733) -39.538,-0.305 -65.6,-0.3 -65.6,-0.37 -65.597,-61.302 -55.121,-61.297 -55.103,-61.297 cw(c-55.103,-62.3) -54.1,-62.3 -54.1,-63.4 -53.99,-63.4 -45.022,-63.398 -44.275,-63.398 cw(c-44.275,-64.358) -43.315,-64.358 -43.315,-66 10.7,-66
P2V1 on Int3 (Sign) "P2V1_L04_P019" (solid, remove dead copper, pour order 19): -65.2,-42.61 -65.2,-17.961 -46.36,-17.961 -43.606,-20.715 -43.227,-20.715 -43.214,-20.781 -43.227,-22.619 -57.097,-22.619 -58.898,-24.421 -58.898,-42.61
P1V4 on Int3 (Sign) "P1V4_L04_P024" (solid, remove dead copper, pour order 24): -54.45,-44.315 -54.45,-24.121 -53.084,-22.754 -45.327,-22.754 -44.988,-22.416 -44.988,-20.816 -47.844,-17.961 -51.668,-17.961 -54.6,-15.029 -54.6,-6.861 -53.857,-6.117 -50.688,-6.117 -49.7,-7.105 -49.7,-13.338 -48.009,-15.029 -43.091,-15.029 -40.2,-17.92 -40.2,-24.496 -43.797,-28.092 -46.761,-28.092 -46.761,-43.867 -47.199,-44.305
P1V8A on Int3 (Sign) "P1V8A_L04_P000" (solid, remove dead copper, pour order 0): -13.112,-61.395 -13.128,-61.411 -19.792,-61.411 -19.792,-2.352 -19.197,-1.756 -12.727,-1.756
no net on Bottom Layer "Balance" (solid, pour order 38): 10.89,-66 ccw(c10.866,-65.976) 10.9,-65.976 10.9,3.01 -38.5,3.01 -38.5,0.733 cw(c-39.538,0.733) -39.538,-0.305 -65.6,-0.3 -65.6,-0.37 -65.597,-61.302 -55.121,-61.297 -55.103,-61.297 cw(c-55.103,-62.3) -54.1,-62.3 -54.1,-63.4 -53.99,-63.4 -45.022,-63.398 -44.275,-63.398 cw(c-44.275,-64.358) -43.315,-64.358 -43.315,-66 10.7,-66
NetC91_2 on Bottom Layer "NETC91_2_L08_P032" (solid, remove dead copper, pour order 32): -55.77,-52.18 -55.77,-56.067 -46.523,-56.067 -46.523,-52.178
P3V15A on Bottom Layer "P3V15A_L08_P029" (solid, remove dead copper, pour order 29): -65.251,-13.244 -65.251,-7.014 -61.879,-7.014 -61.879,-13.236
P1V4 on Bottom Layer "P1V4_L08_P035" (solid, remove dead copper, pour order 35): -55.888,-47.767 -55.888,-41.66 -53.237,-41.66 -53.237,-47.749
NetC81_2 on Bottom Layer "NETC81_2_L08_P034" (solid, remove dead copper, pour order 34): -61.6,-46.769 -61.6,-52.766 -59.191,-52.766 -59.191,-46.792
P12V0 on Bottom Layer "P12V0_L08_P033" (solid, remove dead copper, pour order 33): -54.74,-49.503 -54.74,-52.203 -50.645,-52.203 -50.645,-49.478
P1V2D on Bottom Layer "P1V2D_L08_P031" (solid, remove dead copper, pour order 31): -57.783,-13.244 -57.783,-6.756 -54.757,-6.756 -54.757,-13.237
NetC89_1 on Bottom Layer "NETC89_1_L08_P030" (solid, remove dead copper, pour order 30): -60.996,-6.692 -60.996,-13.13 -58.186,-13.13 -58.186,-6.692
NetC104_1 on Bottom Layer "NETC104_1_L08_P028" (solid, remove dead copper, pour order 28): -60.306,-27.566 -60.306,-34.005 -57.496,-34.005 -57.496,-27.566
P2V5A on Bottom Layer "P2V5A_L08_P027" (solid, remove dead copper, pour order 27): -65.246,-34.005 -65.246,-27.708 -62.191,-27.708 -62.191,-34.076
P1V9A on Bottom Layer "P1V9A_L08_P026" (solid, remove dead copper, pour order 26): -65.246,-23.247 -65.249,-23.245 -65.249,-16.81 -56.191,-16.81 -55.729,-17.271 -55.735,-17.277 -55.735,-23.366
no net on Top Layer "Balance" (solid, pour order 36): 10.89,-66 ccw(c10.866,-65.976) 10.9,-65.976 10.9,3.01 -38.5,3.01 -38.5,0.733 cw(c-39.538,0.733) -39.538,-0.305 -65.6,-0.3 -65.6,-0.37 -65.597,-61.302 -55.121,-61.297 -55.103,-61.297 cw(c-55.103,-62.3) -54.1,-62.3 -54.1,-63.4 -53.99,-63.4 -45.022,-63.398 -44.275,-63.398 cw(c-44.275,-64.358) -43.315,-64.358 -43.315,-66 10.7,-66
GND on Int2 (GND) (split plane): 10.389,-65.49 -42.79,-65.49 -42.79,-64.4 -42.79,-64.398 -42.799,-64.231 -42.828,-64.064 -42.874,-63.901 -42.939,-63.745 -43.021,-63.596 -43.119,-63.458 -43.232,-63.332 -43.358,-63.219 -43.496,-63.121 -43.645,-63.039 -43.801,-62.974 -43.964,-62.928 -44.131,-62.899 -44.298,-62.89 -44.3,-62.89 -53.59,-62.89 -53.59,-62.3 -53.59,-62.298 -53.599,-62.131 -53.628,-61.964 -53.674,-61.801 -53.739,-61.645 -53.821,-61.496 -53.919,-61.358 -54.032,-61.232 -54.158,-61.119 -54.296,-61.021 -54.445,-60.939 -54.601,-60.874 -54.764,-60.828 -54.931,-60.799 -55.098,-60.79 -55.1,-60.79 -65.09,-60.79 -65.09,-0.81 -39.5,-0.81 -39.498,-0.81 -39.331,-0.801 -39.164,-0.773 -39.001,-0.726 -38.845,-0.661 -38.696,-0.579 -38.558,-0.481 -38.432,-0.368 -38.319,-0.242 -38.221,-0.104 -38.139,0.045 -38.074,0.201 -38.028,0.364 -37.999,0.531 -37.99,0.698 -37.99,0.7 -37.99,2.49 10.389,2.49